# KiCad board panel_r0.1.kicad_pcb (continued)
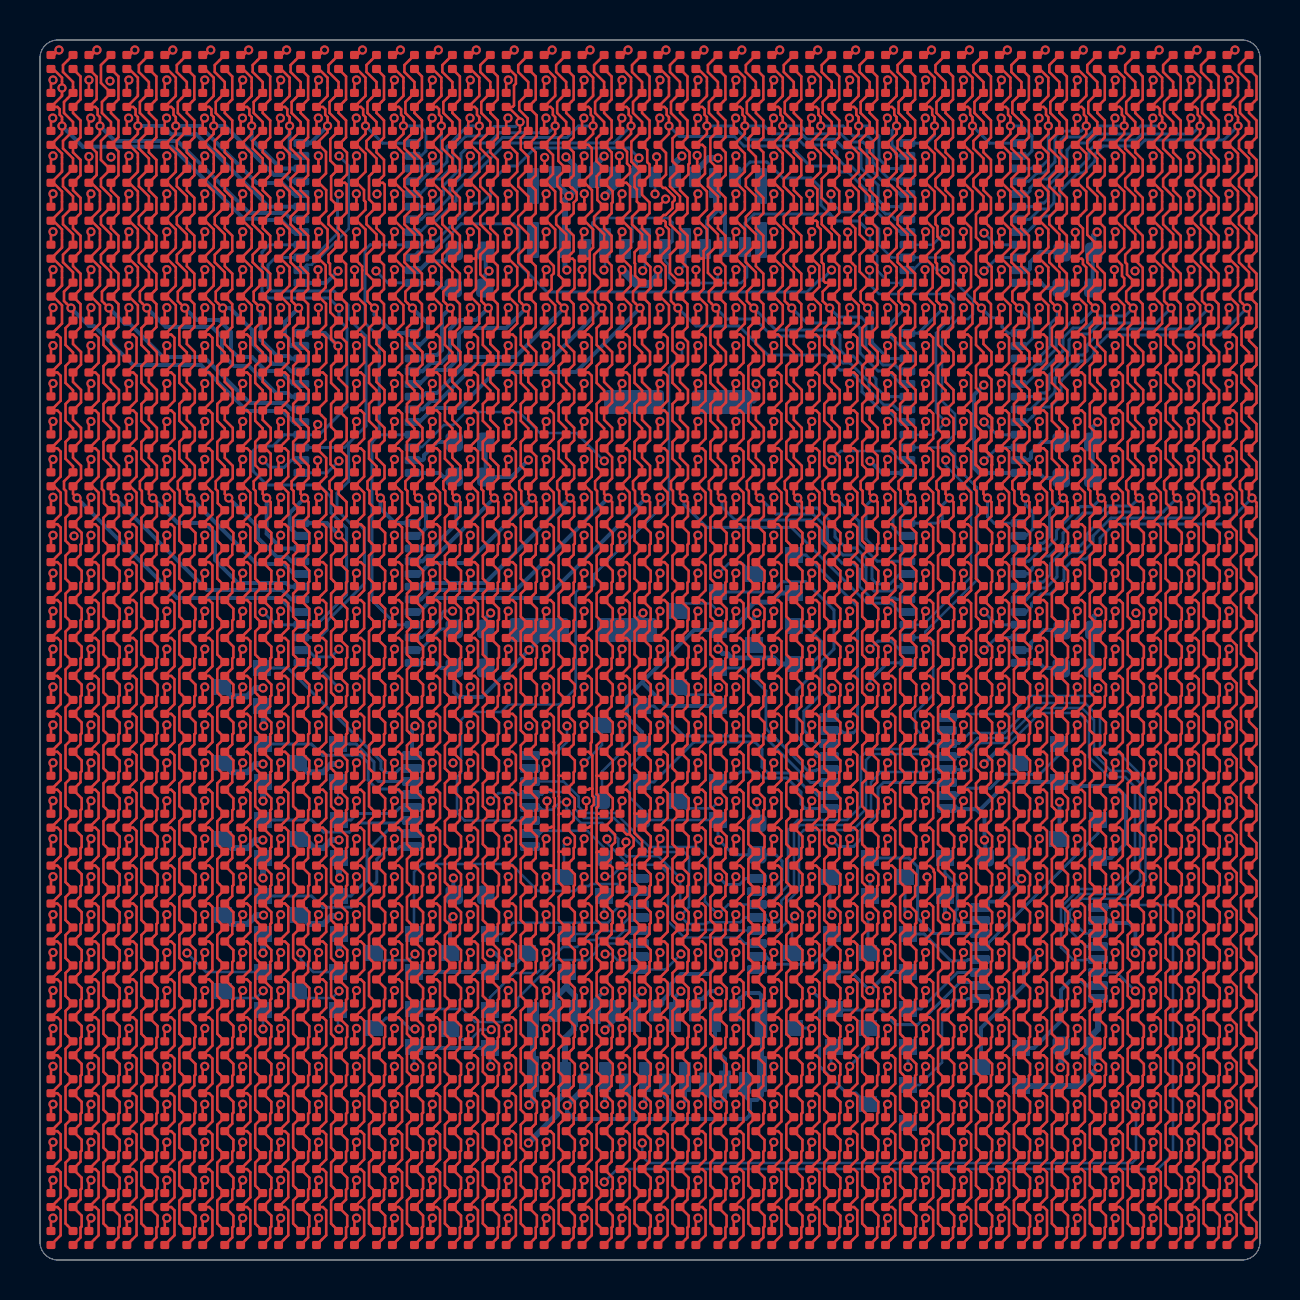
[diagram p0: board, top side]
## Copper pours and planes (outline as drawn; the poured copper is in the pictures) (continued)
/ledArray/sheet5D7D545C/COM on In1.Cu: 0.25,33.2 0.25,31.6 60.75,31.6 60.75,33.2
/ledArray/sheet5D7D5408/COM on In1.Cu: 0.25,42.68 0.25,41.08 60.75,41.08 60.75,42.68
/ledArray/sheet5D7D5419/COM on In1.Cu: 0.25,40.78 0.25,39.18 60.75,39.18 60.75,40.78
/ledArray/sheet5D7371BF/COM on In1.Cu: 0.65,60.75 0.65,60.05 60.2,60.05 60.2,60.75
/ledArray/sheet5D7371D0/COM on In1.Cu: 0.25,59.75 0.25,58.15 60.75,58.15 60.75,59.75
/ledArray/sheet5D7371E3/COM on In1.Cu: 0.25,57.85 0.25,56.25 60.75,56.25 60.75,57.85
/ledArray/sheet5D7371F5/COM on In1.Cu: 0.25,55.96 0.25,54.36 60.75,54.36 60.75,55.96
/ledArray/sheet5D7853C8/COM on In1.Cu: 0.25,31.3 0.25,29.7 60.75,29.7 60.75,31.3
/ledArray/sheet5D7853C9/COM on In1.Cu: 0.25,29.4 0.25,27.8 60.75,27.8 60.75,29.4
/ledArray/sheet5D7853CA/COM on In1.Cu: 0.25,27.5 0.25,25.9 60.75,25.9 60.75,27.5
/ledArray/sheet5D7853CB/COM on In1.Cu: 0.25,25.61 0.25,24.01 60.75,24.01 60.75,25.61
/ledArray/sheet5D7853CC/COM on In1.Cu: 0.25,23.71 0.25,22.11 60.75,22.11 60.75,23.71
/ledArray/sheet5D7853CD/COM on In1.Cu: 0.25,21.81 0.25,20.21 60.75,20.21 60.75,21.81
/ledArray/sheet5D7853CE/COM on In1.Cu: 0.25,19.92 0.25,18.32 60.75,18.32 60.75,19.92
/ledArray/sheet5D7853CF/COM on In1.Cu: 0.25,18.02 0.25,16.42 60.75,16.42 60.75,18.02
/ledArray/sheet5D7955BF/COM on In1.Cu: 0.25,16.12 0.25,14.52 60.75,14.52 60.75,16.12
/ledArray/sheet5D7955CE/COM on In1.Cu: 0.25,14.23 0.25,12.63 60.75,12.63 60.75,14.23
/ledArray/sheet5D7955E0/COM on In1.Cu: 0.25,12.33 0.25,10.73 60.75,10.73 60.75,12.33
/ledArray/sheet5D7955F1/COM on In1.Cu: 0.25,10.43 0.25,8.83 60.75,8.83 60.75,10.43
/ledArray/sheet5D73722B/COM on In1.Cu: 0.25,50.27 0.25,48.67 60.75,48.67 60.75,50.27
/ledArray/sheet5D73723C/COM on In1.Cu: 0.25,48.37 0.25,46.77 60.75,46.77 60.75,48.37
/ledArray/sheet5D737207/COM on In1.Cu: 0.25,54.06 0.25,52.46 60.75,52.46 60.75,54.06
/ledArray/sheet5D737218/COM on In1.Cu: 0.25,52.16 0.25,50.56 60.75,50.56 60.75,52.16
/ledArray/sheet5D795602/COM on In1.Cu: 0.25,8.54 0.25,6.94 60.75,6.94 60.75,8.54
/ledArray/sheet5D795612/COM on In1.Cu: 0.25,6.64 0.25,5.04 60.75,5.04 60.75,6.64
/ledArray/sheet5D795624/COM on In1.Cu: 0.25,4.74 0.25,3.14 60.75,3.14 60.75,4.74
/ledArray/sheet5D795634/COM on In1.Cu: 0.25,2.85 0.25,0.35 60.75,0.35 60.75,2.85
P_LED on Bottom: 0.25,60.75 60.7,60.7 60.7,0.3 0.3,0.3
